# Altium PCB Digital_Optical_18Tx_14Tx4Rx2.PcbDoc (part 2 of 2)
Units mm, origin at the board's own origin, x right, y up, seen from the top; angles counter-clockwise.
Board outline 155.99 x 100 mm, 2 copper layers (Top Layer, Bottom Layer); 203 components, 117 nets, 700 pads, 330 vias.
Unrouted connection lines stored in the file: 2.
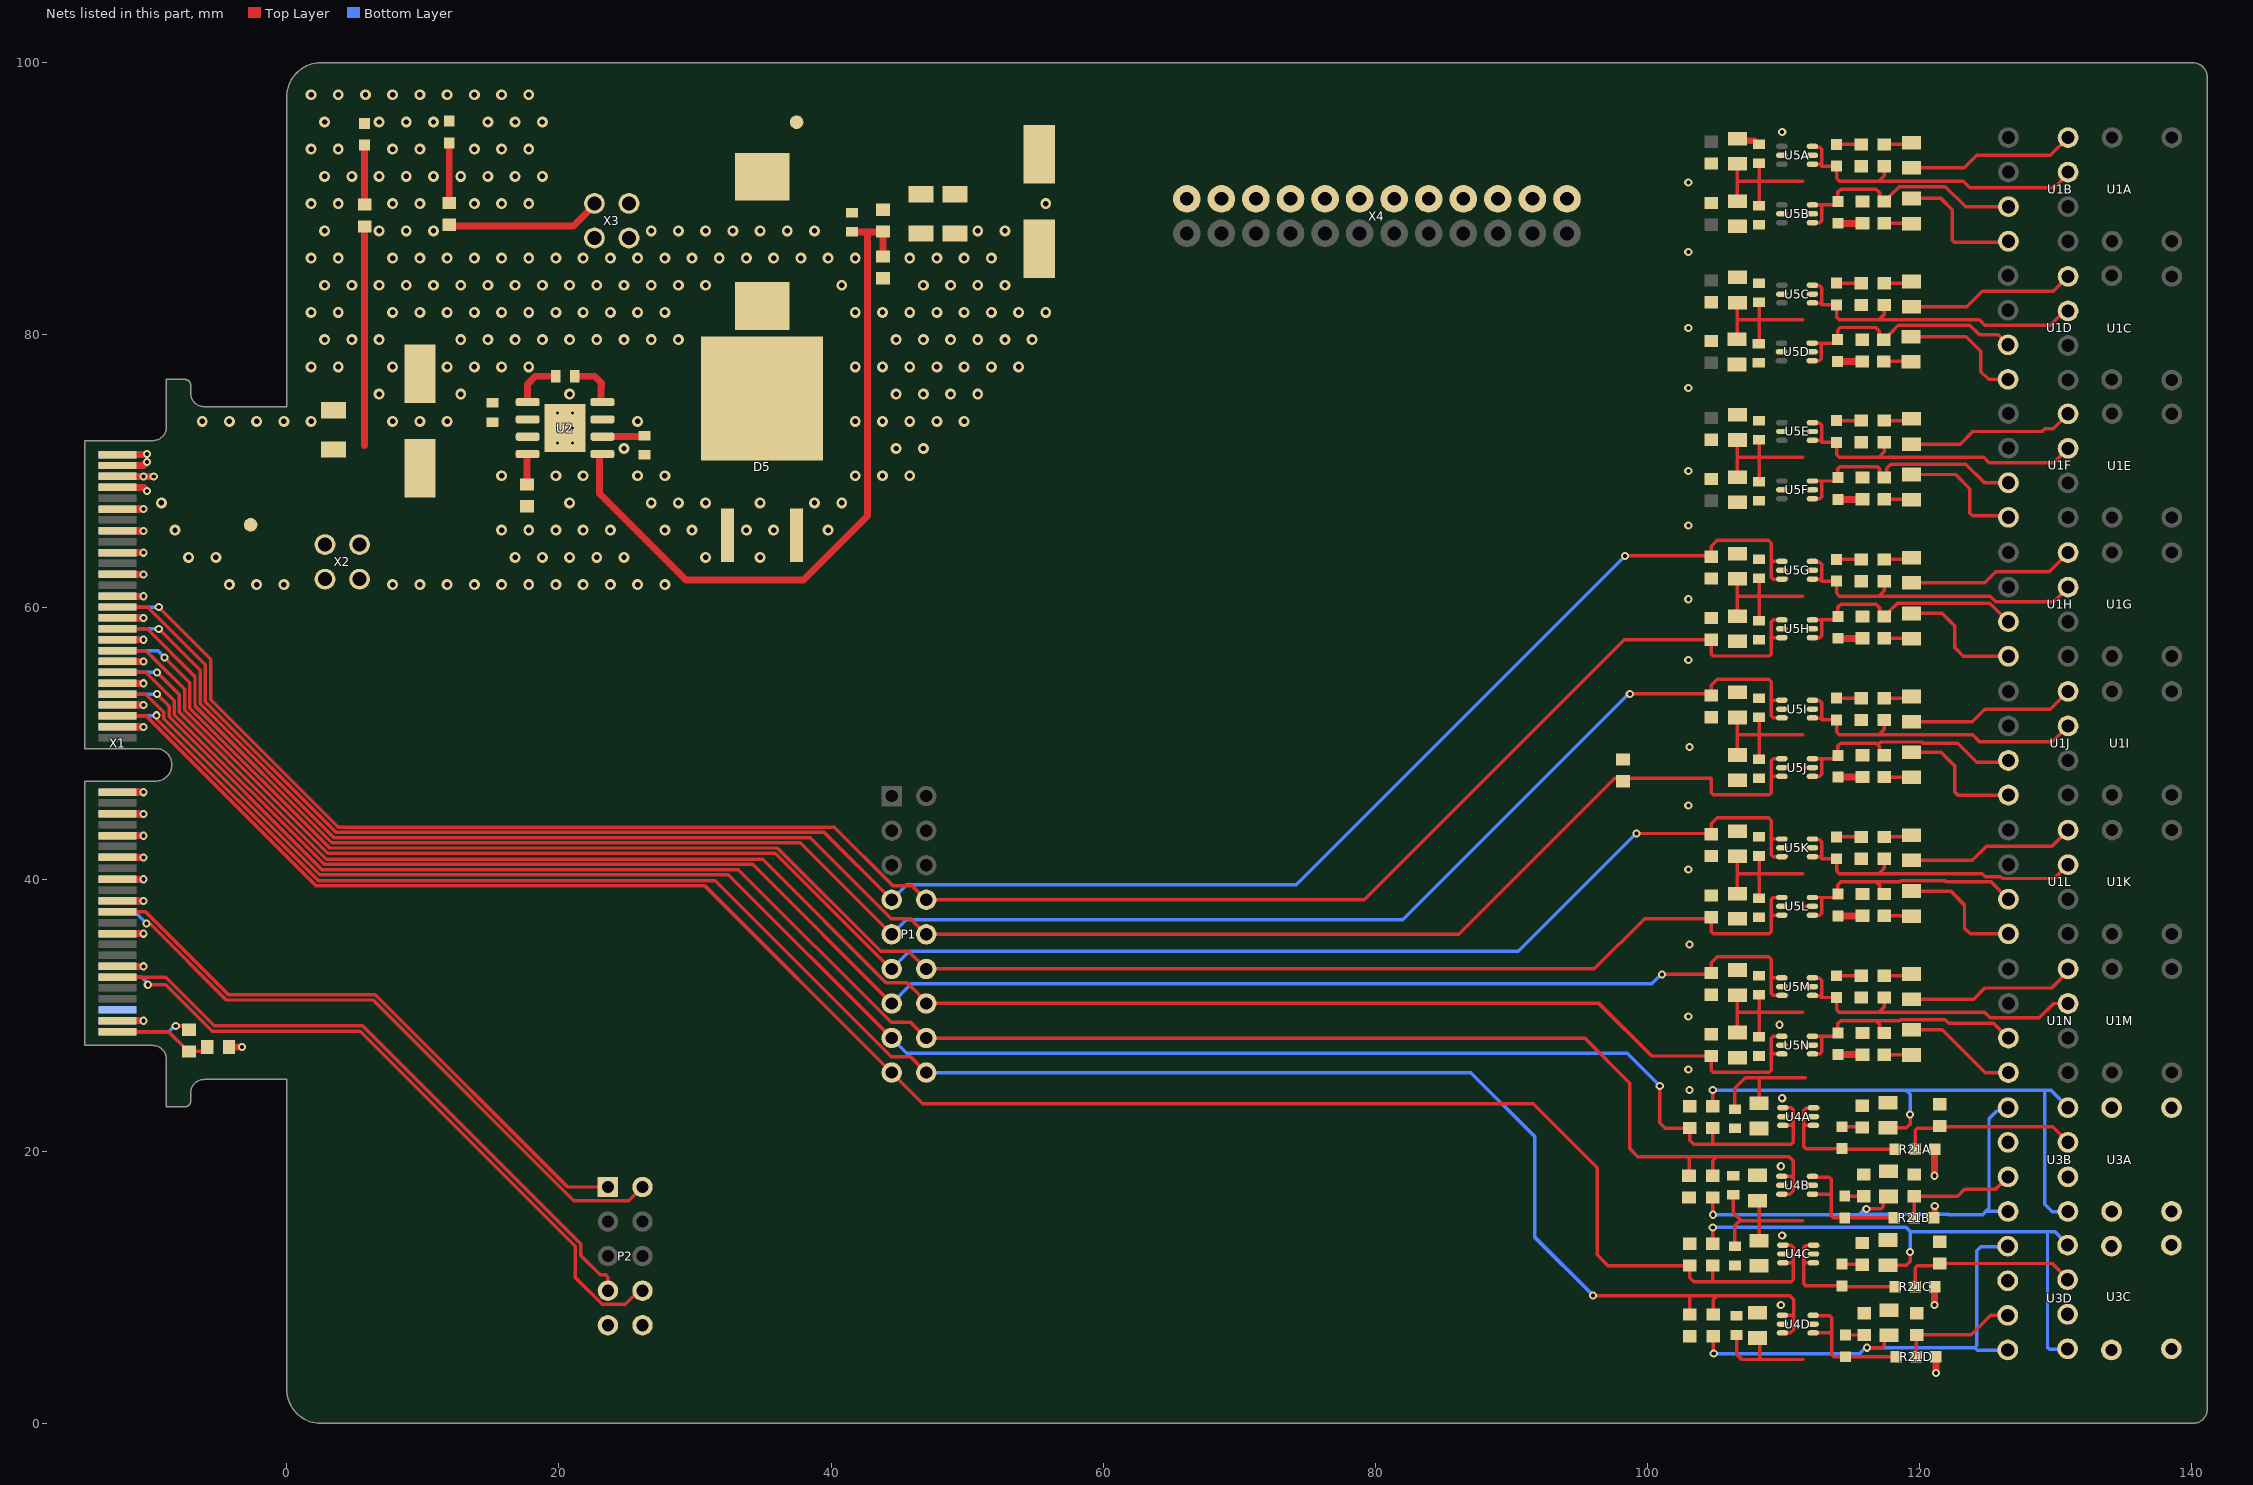
[diagram p2: the nets of this part, all layers, seen from the top]

## Via types
v1: diameter 0.8, hole 0.4, Top Layer to Bottom Layer, tented both sides, 224 vias
v2: diameter 0.6, hole 0.3, Top Layer to Bottom Layer, tented both sides, 100 vias
v3: diameter 0.45, hole 0.2, Top Layer to Bottom Layer, tented bottom, 6 vias

## Nets (pads, with @x,y where several pads share a name; then routed paths per layer and width w, separated by ;. In a path a pad name is that pad's centre, name@x,y a point inside that pad or via, vN(x,y) a via of type N, cw(c..) or ccw(c..) an arc to the next point about the centre after c; other vN are vias at no path point) (continued)
GATE_A7: P1.7 R8G.2 U5G.1 U5G.3 X1.29 | length 148.1
  Top Layer w0.254: X1.29@-12.44,59.991 -10.231,59.991 -5.987,55.747 -5.987,53.042 3.625,43.43 39.501,43.43 P1.7@44.45,38.481 ; v2(98.352,63.759) 104.641,63.759 R8G.2@104.7,63.7 104.7,64.461 105.139,64.9 108.9,64.9 109.1,64.7 109.1,63.4 ; U5G.1@109.875,63.35 109.15,63.35 109.1,63.4 ; U5G.3@110.253,62.1 110.231,62.078 109.903,62.078 U5G.3@109.875,62.05 109.249,62.05 109.1,62.199 109.1,63.4
  Bottom Layer w0.254: P1.7@44.45,38.481 45.569,39.6 74.2,39.6 98.3,63.7 v2@98.3,63.8
GATE_A8: P1.8 R8H.2 U5H.1 U5H.3 X1.30 | length 145.3
  Top Layer w0.254: v2(-9.414,59.991) -5.588,56.165 -5.588,53.182 3.783,43.811 40.24,43.811 44.554,39.497 45.974,39.497 P1.8@46.99,38.481 79.181,38.481 98.3,57.6 R8H.2@104.7,57.6 104.7,56.549 104.849,56.4 108.951,56.4 109.1,56.549 109.1,57.724 ; U5H.3@109.875,57.75 109.126,57.75 109.1,57.724 ; U5H.1@109.875,59.05 109.25,59.05 109.1,58.9 109.1,57.724
  Bottom Layer w0.254: X1.30@-12.44,59.991 v2(-9.414,59.991)
GATE_A9: P1.9 R8I.2 U5I.1 U5I.3 X1.33 | length 145
  Top Layer w0.254: X1.33@-12.44,58.391 -10.259,58.391 -6.749,54.881 -6.749,52.726 3.31,42.668 37.723,42.668 P1.9@44.45,35.941 ; v2(98.702,53.609) 104.591,53.609 R8I.2@104.7,53.5 104.7,54.261 105.139,54.7 108.9,54.7 109.1,54.5 109.1,53.2 ; U5I.1@109.875,53.15 109.15,53.15 109.1,53.2 ; U5I.3@110.253,51.9 110.231,51.878 109.903,51.878 U5I.3@109.875,51.85 109.249,51.85 109.1,51.999 109.1,53.2
  Bottom Layer w0.254: P1.9@44.45,35.941 45.509,37 82,37 98.6,53.6 v2@98.7,53.6
GATE_A10: P1.10 R8J.2 U5J.1 U5J.3 X1.34 | length 142.2
  Top Layer w0.254: v2(-9.414,58.391) -6.368,55.344 -6.368,52.884 3.467,43.049 38.462,43.049 44.415,37.096 45.835,37.096 P1.10@46.99,35.941 86.141,35.941 97.6,47.4 104.7,47.4 104.7,46.349 104.849,46.2 108.951,46.2 109.1,46.349 109.1,47.524 ; U5J.3@109.875,47.55 109.126,47.55 109.1,47.524 ; U5J.1@109.875,48.85 109.25,48.85 109.1,48.7 109.1,47.524
  Bottom Layer w0.254: X1.34@-12.44,58.391 v2(-9.414,58.391)
GATE_A11: P1.11 R8K.2 U5K.1 U5K.3 X1.37 | length 141.7
  Top Layer w0.254: X1.37@-12.44,56.791 -10.356,56.791 -9.652,56.086 -7.511,53.945 -7.511,52.411 2.994,41.906 35.894,41.906 44.399,33.401 P1.11@44.45,33.401 P1.11@44.461,33.39 ; v2(99.193,43.353) 104.553,43.353 104.7,43.5 104.7,44.061 105.139,44.5 108.9,44.5 109.1,44.3 109.1,43 ; U5K.1@109.875,42.95 109.15,42.95 109.1,43 ; U5K.3@110.253,41.7 110.231,41.678 109.903,41.678 U5K.3@109.875,41.65 109.249,41.65 109.1,41.799 109.1,43
  Bottom Layer w0.254: P1.11@44.45,33.401 45.749,34.7 90.5,34.7 v2@99.2,43.4
GATE_A12: P1.12 R8L.2 U5L.1 U5L.3 X1.38 | length 139
  Top Layer w0.254: v2(-9,56.3) -7.13,54.43 -7.13,52.568 3.152,42.287 36.052,42.287 43.639,34.7 45.691,34.7 P1.12@46.99,33.401 96.101,33.401 99.8,37.1 104.6,37.1 R8L.2@104.7,37.2 104.7,36.149 104.849,36 108.951,36 109.1,36.149 109.1,37.324 ; U5L.3@109.875,37.35 109.126,37.35 109.1,37.324 ; U5L.1@109.875,38.65 109.25,38.65 109.1,38.5 109.1,37.324
  Bottom Layer w0.254: X1.38@-12.44,56.8 -9.5,56.8 v2(-9,56.3)
GATE_A13: P1.13 R8M.2 U5M.1 U5M.3 X1.41 | length 138.7
  Top Layer w0.254: X1.41@-12.44,55.191 -12.415,55.216 -10.378,55.216 -8.273,53.11 -8.273,52.095 2.74,41.082 34.229,41.082 P1.13@44.45,30.861 ; v2(101.075,33) 104.6,33 R8M.2@104.7,33.1 104.7,33.861 105.139,34.3 108.9,34.3 109.1,34.1 109.1,32.8 ; U5M.1@109.875,32.75 109.15,32.75 109.1,32.8 ; U5M.3@110.253,31.5 110.231,31.478 109.903,31.478 U5M.3@109.875,31.45 109.249,31.45 109.1,31.599 109.1,32.8
  Bottom Layer w0.254: P1.13@44.45,30.861 45.889,32.3 100.3,32.3 101,33 v2(101.075,33)
GATE_A14: P1.14 R8N.2 U5N.1 U5N.3 X1.42 | length 138.4
  Top Layer w0.254: v2(-9.54,55.191) -7.892,53.543 -7.892,52.253 -0.933,45.295 2.898,41.463 34.968,41.463 44.034,32.397 45.581,32.397 46.482,31.496 ; P1.14@46.99,30.861 96.439,30.861 100.3,27 R8N.2@104.7,27 104.7,25.949 104.849,25.8 108.951,25.8 109.1,25.949 109.1,27.124 ; U5N.3@109.875,27.15 109.126,27.15 109.1,27.124 ; U5N.1@109.875,28.45 109.25,28.45 109.1,28.3 109.1,27.124
  Bottom Layer w0.254: X1.42@-12.44,55.191 v2(-9.54,55.191)
GND: C1A.2 C1B.2 C1C.2 C1D.2 C1E.2 C1F.2 C1G.2 C1H.2 C1I.2 C1J.2 C1K.2 C1L.2 C1M.2 C1N.2 C2A.2 C2B.2 C2C.2 C2D.2 C2E.2 C2F.2 C2G.2 C2H.2 C2I.2 C2J.2 C2K.2 C2L.2 C2M.2 C2N.2 C3.2 C5.2 C6.1 C7.2 C8A.2 C8B.2 C8C.2 C8D.2 C9A.2 C9B.2 C9C.2 C9D.2 C10.1 C12.1 C13.1 D5.1 D5.3 D6.1 D7.1 P2.9 P2.10 R5.1 R8A.1 R8B.1 R8C.1 R8D.1 R8E.1 R8F.1 R8G.1 R8H.1 R8I.1 R8J.1 R8K.1 R8L.1 R8M.1 R8N.1 R12.1 R16.1 R20A.1 R20B.1 R20C.1 R20D.1 R21A.3 R21B.3 R21C.3 R21D.3 U2.7 U2.9 U4A.2 U4B.2 U4C.2 U4D.2 U5A.2 U5B.2 U5C.2 U5D.2 U5E.2 U5F.2 U5G.2 U5H.2 U5I.2 U5J.2 U5K.2 U5L.2 U5M.2 U5N.2 X1.1 X1.2 X1.3 X1.4 X1.7 X1.8 X1.11 X1.12 X1.15 X1.16 X1.19 X1.20 X1.23 X1.24 X1.27 X1.28 X1.31 X1.32 X1.35 X1.36 X1.39 X1.40 X1.43 X1.44 X1.47 X1.48 X1.51 X1.52 X1.55 X1.56 X1.59 X1.60 X1.63 X1.64 X1.67 X1.68 X1.71 X1.72 X1.75 X1.76 X1.81 X1.82 X1.87 X1.88 X1.97 X1.98 X2.1 X2.2 X3.1 X3.2 X4.2 X4.4 X4.6 X4.8 X4.10 X4.12 X4.14 X4.16 X4.18 X4.20 X4.22 X4.24 | length 97.4
  Top Layer w0.508: X1.97@-12.44,29.591 v2(-10.541,29.591) ; X1.87@-12.44,33.591 v2(-10.541,33.591) v2@-10.477,33.591 ; X1.81@-12.44,35.991 v2(-10.541,35.991) ; X1.75@-12.44,38.391 v2(-10.541,38.391) ; X1.71@-12.44,39.991 v2(-10.541,39.991) ; X1.67@-12.44,41.591 v2(-10.541,41.591) ; X1.63@-12.44,43.191 v2(-10.541,43.191) ; X1.59@-12.44,44.791 v2(-10.541,44.791) ; X1.55@-12.44,46.391 v2(-10.541,46.391) ; X1.51@-12.44,51.191 v2(-10.541,51.191) ; X1.47@-12.44,52.791 v2(-10.541,52.791) ; X1.43@-12.44,54.391 v2(-10.541,54.391) ; X1.39@-12.44,55.991 v2(-10.541,55.991) ; X1.35@-12.44,57.591 v2(-10.541,57.591) ; X1.31@-12.44,59.191 v2(-10.541,59.191) ; X1.27@-12.44,60.791 v2(-10.541,60.791) ; X1.23@-12.44,62.391 v2(-10.541,62.391) ; X1.19@-12.44,63.991 v2(-10.541,63.991) ; X1.15@-12.44,65.591 v2(-10.541,65.591) ; X1.11@-12.44,67.191 v2(-10.541,67.191) ; X1.7@-12.44,68.791 -10.541,68.791 v2(-10.266,68.516) ; X1.3@-12.44,70.391 -10.541,70.391 v2(-10.266,70.666) ; X1.1@-12.44,71.191 v2@-10.541,71.191 ; R16.1@-4.251,27.66 R16.1@-4.251,27.66 v2@-3.303,27.659 ; C2A.2@106.6,94.425 106.755,94.27 107.83,94.27 108.1,94 C1A.2@108.2,94 ; R21B.3@121.05,15.1 121.113,15.163 v2(121.113,15.988) ; v2(121.1,8.7) 121.1,10.025 R21C.3@121.125,10.05 ; v2(121.1,18.2) 121.1,20.125 R21A.3@121.125,20.15 ; R21D.3@121.196,4.896 121.2,4.892 v2(121.2,3.7) ; v2@-3.303,27.659 v2(-3.302,27.658)
  Bottom Layer w0.508: X1.98@-12.44,29.591 v2(-10.541,29.591) ; X1.88@-12.44,33.591 v2(-10.541,33.591) ; X1.82@-12.44,35.991 v2(-10.541,35.991) ; X1.76@-12.44,38.391 v2(-10.541,38.391) ; X1.72@-12.44,39.991 v2(-10.541,39.991) ; X1.68@-12.44,41.591 v2(-10.541,41.591) ; X1.64@-12.44,43.191 v2(-10.541,43.191) ; X1.60@-12.44,44.791 v2(-10.541,44.791) ; X1.56@-12.44,46.391 v2(-10.541,46.391) ; X1.52@-12.44,51.191 v2(-10.541,51.191) ; X1.48@-12.44,52.791 v2(-10.541,52.791) ; X1.44@-12.44,54.391 v2(-10.541,54.391) ; X1.40@-12.44,55.991 v2(-10.541,55.991) ; X1.36@-12.44,57.591 v2(-10.541,57.591) ; X1.32@-12.44,59.191 v2(-10.541,59.191) ; X1.28@-12.44,60.791 v2(-10.541,60.791) ; X1.24@-12.44,62.391 v2(-10.541,62.391) ; X1.20@-12.44,63.991 v2(-10.541,63.991) ; X1.16@-12.44,65.591 v2(-10.541,65.591) ; X1.12@-12.44,67.191 v2(-10.541,67.191) ; X1.8@-12.44,68.791 -10.541,68.791 v2(-10.266,68.516) ; X1.4@-12.44,70.391 -10.541,70.391 v2(-10.266,70.666) ; X1.2@-12.44,71.191 -10.343,71.191 v2(-10.287,71.247)
  other v1: -4.221,61.647 -2.221,61.647 -0.221,61.647 7.779,61.647 9.779,61.647 11.779,61.647 13.779,61.647 15.779,61.647 17.779,61.647 19.779,61.647 21.779,61.647 23.779,61.647 25.779,61.647 27.779,61.647 -7.221,63.647 -5.221,63.647 16.779,63.647 18.779,63.647 20.779,63.647 22.779,63.647 24.779,63.647 30.779,63.647 34.779,63.647 -8.221,65.647 15.779,65.647 17.779,65.647 19.779,65.647 21.779,65.647 23.779,65.647 27.779,65.647 29.779,65.647 33.779,65.647 35.779,65.647 39.779,65.647 -9.221,67.647 20.779,67.647 26.779,67.647 28.779,67.647 30.779,67.647 34.779,67.647 38.779,67.647 40.779,67.647 15.779,69.647 19.779,69.647 21.779,69.647 25.779,69.647 27.779,69.647 41.779,69.647 43.779,69.647 45.779,69.647 24.779,71.647 44.779,71.647 46.779,71.647 -6.221,73.647 -4.221,73.647 -2.221,73.647 -0.221,73.647 1.779,73.647 7.779,73.647 9.779,73.647 11.779,73.647 25.779,73.647 41.779,73.647 43.779,73.647 45.779,73.647 47.779,73.647 49.779,73.647 6.779,75.647 12.779,75.647 20.779,75.647 44.779,75.647 46.779,75.647 48.779,75.647 50.779,75.647 1.779,77.647 3.779,77.647 7.779,77.647 11.779,77.647 13.779,77.647 15.779,77.647 17.779,77.647 41.779,77.647 43.779,77.647 45.779,77.647 47.779,77.647 49.779,77.647 51.779,77.647 53.779,77.647 2.779,79.647 4.779,79.647 6.779,79.647 12.779,79.647 14.779,79.647 16.779,79.647 18.779,79.647 20.779,79.647 22.779,79.647 24.779,79.647 26.779,79.647 28.779,79.647 44.779,79.647 46.779,79.647 48.779,79.647 50.779,79.647 52.779,79.647 54.779,79.647 1.779,81.647 3.779,81.647 7.779,81.647 9.779,81.647 11.779,81.647 13.779,81.647 15.779,81.647 17.779,81.647 19.779,81.647 21.779,81.647 23.779,81.647 25.779,81.647 27.779,81.647 41.779,81.647 43.779,81.647 45.779,81.647 47.779,81.647 49.779,81.647 51.779,81.647 53.779,81.647 55.779,81.647 2.779,83.647 4.779,83.647 6.779,83.647 8.779,83.647 10.779,83.647 12.779,83.647 14.779,83.647 16.779,83.647 18.779,83.647 20.779,83.647 22.779,83.647 24.779,83.647 26.779,83.647 28.779,83.647 30.779,83.647 40.779,83.647 46.779,83.647 48.779,83.647 50.779,83.647 52.779,83.647 1.779,85.647 3.779,85.647 7.779,85.647 9.779,85.647 11.779,85.647 13.779,85.647 15.779,85.647 17.779,85.647 19.779,85.647 21.779,85.647 23.779,85.647 25.779,85.647 27.779,85.647 29.779,85.647 31.779,85.647 33.779,85.647 35.779,85.647 37.779,85.647 39.779,85.647 41.779,85.647 45.779,85.647 47.779,85.647 49.779,85.647 51.779,85.647 2.779,87.647 6.779,87.647 8.779,87.647 10.779,87.647 26.779,87.647 28.779,87.647 30.779,87.647 32.779,87.647 34.779,87.647 36.779,87.647 38.779,87.647 50.779,87.647 52.779,87.647 1.779,89.647 3.779,89.647 7.779,89.647 9.779,89.647 13.779,89.647 15.779,89.647 17.779,89.647 55.779,89.647 2.779,91.647 4.779,91.647 6.779,91.647 8.779,91.647 10.779,91.647 12.779,91.647 14.779,91.647 16.779,91.647 18.779,91.647 1.779,93.647 3.779,93.647 7.779,93.647 9.779,93.647 13.779,93.647 15.779,93.647 17.779,93.647 2.779,95.647 6.779,95.647 8.779,95.647 10.779,95.647 14.779,95.647 16.779,95.647 18.779,95.647 1.779,97.647 3.779,97.647 5.779,97.647 7.779,97.647 9.779,97.647 11.779,97.647 13.779,97.647 15.779,97.647 17.779,97.647
  other v2: 109.8,8.7 109.9,13.8 109.8,18.9 109.9,23.9 103.1,24.5 103,26 109.7,29.3 103,29.9 103.1,35.2 103,40.7 103,45.4 103.1,49.7 103,56.1 103.001,60.572 103,66 103,70 103,76.1 103,80.5 103,86.1 103,91.2 109.9,94.9
  other v3: 19.897,72.052 20.997,72.052 19.897,73.152 20.997,73.152 19.897,74.252 20.997,74.252
I2C0_SCA: P2.8 X1.90 | length 50.4
  Top Layer w0.254: v2(-10.219,32.237) -8.912,32.237 -7.066,30.391 -7.052,30.391 -5.49,28.829 5.403,28.829 21.209,13.023 21.209,10.721 23.181,8.75 24.879,8.75 25.883,9.754 P2.8@26.137,9.754
  Bottom Layer w0.254: X1.90@-12.44,32.791 -10.659,32.791 -10.285,32.417 -10.285,32.303 v2(-10.219,32.237)
I2C0_SCL: P2.7 X1.89 | length 46.7
  Top Layer w0.254: X1.89@-12.44,32.791 -8.913,32.791 -5.332,29.21 5.561,29.21 21.59,13.181 21.59,12.342 23.023,10.909 23.448,10.909 23.597,10.76 P2.7@23.597,9.754
NetC4_1: C4.1 U2.1 | length 3.7
  Top Layer w0.508: U2.1@17.697,75.057 17.697,76.371 18.288,76.962 C4.1@19.812,76.962
NetC7_1: C7.1 U2.6 | length 3.1
  Top Layer w0.508: U2.6@23.197,72.517 26.224,72.517 C7.1@26.289,72.582
NetC11_2: C11.2 R6.1 R12.2 U2.5 | length 51.9
  Top Layer w0.508: U2.5@22.987,71.247 22.987,68.326 29.337,61.976 37.973,61.976 42.672,66.675 42.672,87.565 ; C11.2@41.529,87.565 42.672,87.565 ; R6.1@43.623,87.565 42.672,87.565 ; R12.2@43.815,85.763 R6.1@43.815,87.503
NetD1A_1: D1A.1 R7A.1 U1A.2 U5A.4 U5A.6 | length 23.9
  Top Layer w0.254: U5A.4@112.125,92.55 112.132,92.543 112.657,92.543 112.8,92.4 ; U5A.6@112.125,93.85 112.153,93.822 112.481,93.822 112.503,93.8 112.651,93.8 112.8,93.651 112.8,93.392 112.804,93.388 112.804,93.012 112.8,93.008 112.8,92.4 ; D1A.1@113.754,92.4 112.8,92.4 ; D1A.1@113.9,92.4 113.9,91.498 114.098,91.3 117,91.3 ; R7A.1@117.4,92.4 117.4,91.7 117,91.3 ; U1A.2@130.915,91.961 130.915,91.815 129.9,90.8 123.7,90.8 123.2,91.3 117,91.3
  Top Layer w0.508: D1A.1@113.754,92.4 D1A.1@113.9,92.4
NetD1A_2: D1A.2 R1A.1 | length 1.8
  Top Layer w0.254: D1A.2@113.9,94 R1A.1@115.7,94
NetD1B_1: D1B.1 R7B.1 U1B.2 U5B.4 U5B.6 | length 18.9
  Top Layer w0.254: U5B.4@112.125,88.25 112.651,88.25 112.804,88.403 112.804,89.446 112.7,89.55 ; U5B.6@112.125,89.55 112.7,89.55 ; U1B.2@126.527,89.421 123.379,89.421 121.9,90.9 118.5,90.9 117.773,90.173 117.773,90.123 117.45,89.8 R7B.1@117.4,89.8 117.379,89.8 117.056,90.123 117.056,90.436 116.8,90.692 114.192,90.692 114,90.5 D1B.1@114,89.8 113.75,89.55 112.7,89.55
NetD1B_2: D1B.2 R1B.1 | length 1.8
  Top Layer w0.508: D1B.2@114,88.2 R1B.1@115.8,88.2
NetD1C_1: D1C.1 R7C.1 U1C.2 U5C.4 U5C.6 | length 23.7
  Top Layer w0.254: U5C.4@112.125,82.35 112.132,82.343 112.657,82.343 112.8,82.2 ; U5C.6@112.125,83.65 112.153,83.622 112.481,83.622 112.503,83.6 112.651,83.6 112.8,83.451 112.8,83.192 112.804,83.188 112.804,82.812 112.8,82.808 112.8,82.2 ; D1C.1@113.754,82.2 112.8,82.2 ; D1C.1@113.9,82.2 113.9,81.298 114.098,81.1 117,81.1 ; R7C.1@117.4,82.2 117.4,81.5 117,81.1 ; U1C.2@130.915,81.761 130.661,81.761 129.6,80.7 124.8,80.7 124.4,81.1 117,81.1
  Top Layer w0.508: D1C.1@113.754,82.2 D1C.1@113.9,82.2
NetD1C_2: D1C.2 R1C.1 | length 1.8
  Top Layer w0.254: D1C.2@113.9,83.8 R1C.1@115.7,83.8
NetD1D_1: D1D.1 R7D.1 U1D.2 U5D.4 U5D.6 | length 18.8
  Top Layer w0.254: U5D.4@112.1,78.1 112.626,78.1 112.779,78.253 112.779,79.296 112.675,79.4 ; U5D.6@112.1,79.4 112.675,79.4 ; U1D.2@126.502,79.271 125.773,80 124.4,80 123.681,80.719 118.444,80.719 117.748,80.023 117.748,79.973 117.425,79.65 R7D.1@117.375,79.65 117.354,79.65 117.031,79.973 117.031,80.286 116.775,80.542 114.167,80.542 113.975,80.35 D1D.1@113.975,79.65 113.725,79.4 112.675,79.4
NetD1D_2: D1D.2 R1D.1 | length 1.8
  Top Layer w0.508: D1D.2@113.975,78.05 R1D.1@115.775,78.05
NetD1E_1: D1E.1 R7E.1 U1E.2 U5E.4 U5E.6 | length 23.7
  Top Layer w0.254: U5E.4@112.125,72.25 112.132,72.243 112.657,72.243 112.8,72.1 ; U5E.6@112.125,73.55 112.153,73.522 112.481,73.522 112.503,73.5 112.651,73.5 112.8,73.351 112.8,73.092 112.804,73.088 112.804,72.712 112.8,72.708 112.8,72.1 ; D1E.1@113.754,72.1 112.8,72.1 ; D1E.1@113.9,72.1 113.9,71.198 114.098,71 117,71 ; R7E.1@117.4,72.1 117.4,71.4 117,71 ; U1E.2@130.915,71.661 129.854,70.6 125.1,70.6 124.7,71 117,71
  Top Layer w0.508: D1E.1@113.754,72.1 D1E.1@113.9,72.1
NetD1E_2: D1E.2 R1E.1 | length 1.8
  Top Layer w0.254: D1E.2@113.9,73.7 R1E.1@115.7,73.7
NetD1F_1: D1F.1 R7F.1 U1F.2 U5F.4 U5F.6 | length 18.9
  Top Layer w0.254: U5F.4@112.125,67.962 112.651,67.962 112.804,68.115 112.804,69.158 112.7,69.262 ; U5F.6@112.125,69.262 112.7,69.262 ; U1F.2@126.527,69.133 124.767,69.133 123.4,70.5 117.9,70.5 117.594,70.194 117.594,69.706 R7F.1@117.4,69.512 117.379,69.512 117.056,69.835 117.056,70.163 116.907,70.312 114.149,70.312 114,70.163 D1F.1@114,69.512 113.75,69.262 112.7,69.262
NetD1F_2: D1F.2 R1F.1 | length 1.8
  Top Layer w0.508: D1F.2@114,67.912 R1F.1@115.8,67.912
NetD1G_1: D1G.1 R7G.1 U1G.2 U5G.4 U5G.6 | length 23.7
  Top Layer w0.254: U5G.4@112.125,62.05 112.132,62.043 112.657,62.043 112.8,61.9 ; U5G.6@112.125,63.35 112.153,63.322 112.481,63.322 112.503,63.3 112.651,63.3 112.8,63.151 112.8,62.892 112.804,62.888 112.804,62.512 112.8,62.508 112.8,61.9 ; D1G.1@113.754,61.9 112.8,61.9 ; D1G.1@113.9,61.9 113.9,60.998 114.098,60.8 117,60.8 ; R7G.1@117.4,61.9 117.4,61.2 117,60.8 ; U1G.2@130.915,61.461 129.854,60.4 125.6,60.4 125.2,60.8 117,60.8
  Top Layer w0.508: D1G.1@113.754,61.9 D1G.1@113.9,61.9
NetD1G_2: D1G.2 R1G.1 | length 1.8
  Top Layer w0.254: D1G.2@113.9,63.5 R1G.1@115.7,63.5
NetD1H_1: D1H.1 R7H.1 U1H.2 U5H.4 U5H.6 | length 18.8
  Top Layer w0.254: U5H.4@112.125,57.75 112.651,57.75 112.804,57.903 112.804,58.946 112.7,59.05 ; U5H.6@112.125,59.05 112.7,59.05 ; U1H.2@126.527,58.921 125.169,60.279 118.379,60.279 117.773,59.673 117.773,59.623 117.45,59.3 R7H.1@117.4,59.3 117.379,59.3 117.056,59.623 117.056,59.936 116.8,60.192 114.192,60.192 114,60 D1H.1@114,59.3 113.75,59.05 112.804,59.05 112.7,59.05
NetD1H_2: D1H.2 R1H.1 | length 1.8
  Top Layer w0.508: D1H.2@114,57.7 R1H.1@115.8,57.7
NetD1I_1: D1I.1 R7I.1 U1I.2 U5I.4 U5I.6 | length 23.8
  Top Layer w0.254: U5I.4@112.125,51.85 112.132,51.843 112.657,51.843 112.8,51.7 ; U5I.6@112.125,53.15 112.153,53.122 112.481,53.122 112.503,53.1 112.651,53.1 112.8,52.951 112.8,52.692 112.804,52.688 112.804,52.312 112.8,52.308 112.8,51.7 ; D1I.1@113.754,51.7 112.8,51.7 ; D1I.1@113.9,51.7 113.9,50.798 114.098,50.6 117,50.6 ; R7I.1@117.4,51.7 117.4,51 117,50.6 ; U1I.2@130.915,51.261 129.754,50.1 124.4,50.1 123.9,50.6 117,50.6
  Top Layer w0.508: D1I.1@113.754,51.7 D1I.1@113.9,51.7
NetD1I_2: D1I.2 R1I.1 | length 1.8
  Top Layer w0.254: D1I.2@113.9,53.3 R1I.1@115.7,53.3
NetD1J_1: D1J.1 R7J.1 U1J.2 U5J.4 U5J.6 | length 19
  Top Layer w0.254: U5J.4@112.125,47.55 112.651,47.55 112.804,47.703 112.804,48.746 112.7,48.85 ; U5J.6@112.125,48.85 112.7,48.85 ; R7J.1@117.4,49.1 117.379,49.1 117.056,49.423 117.056,49.736 116.928,49.864 ; U1J.2@126.527,48.721 126.406,48.6 124.2,48.6 122.8,50 120.284,50 120.205,50.079 117.143,50.079 116.928,49.864 ; 112.7,48.85 113.75,48.85 D1J.1@114,49.1 114,49.8 114.192,49.992 116.8,49.992 116.928,49.864
NetD1J_2: D1J.2 R1J.1 | length 1.8
  Top Layer w0.508: D1J.2@114,47.5 R1J.1@115.8,47.5
NetD1K_1: D1K.1 R7K.1 U1K.2 U5K.4 U5K.6 | length 23.7
  Top Layer w0.254: U5K.4@112.125,41.65 112.132,41.643 112.657,41.643 112.8,41.5 ; U5K.6@112.125,42.95 112.153,42.922 112.481,42.922 112.503,42.9 112.651,42.9 112.8,42.751 112.8,42.492 112.804,42.488 112.804,42.112 112.8,42.108 112.8,41.5 ; D1K.1@113.754,41.5 112.8,41.5 ; D1K.1@113.9,41.5 113.9,40.598 114.098,40.4 117,40.4 ; R7K.1@117.4,41.5 117.4,40.8 117,40.4 ; U1K.2@130.915,41.061 129.899,40.045 126.106,40.045 125.978,40.173 124.827,40.173 124.6,40.4 117,40.4
  Top Layer w0.508: D1K.1@113.754,41.5 D1K.1@113.9,41.5
NetD1K_2: D1K.2 R1K.1 | length 1.8
  Top Layer w0.254: D1K.2@113.9,43.1 R1K.1@115.7,43.1
NetD1L_1: D1L.1 R7L.1 U1L.2 U5L.4 U5L.6 | length 19
  Top Layer w0.254: U5L.4@112.125,37.35 112.651,37.35 112.804,37.503 112.804,38.546 112.7,38.65 ; U5L.6@112.125,38.65 112.7,38.65 ; R7L.1@117.4,38.9 117.379,38.9 117.056,39.223 117.056,39.536 116.8,39.792 ; U1L.2@126.527,38.521 125.256,39.792 121.969,39.792 121.882,39.879 118.595,39.879 118.508,39.792 116.8,39.792 ; 112.7,38.65 112.804,38.65 113.75,38.65 D1L.1@114,38.9 114,39.6 114.192,39.792 116.8,39.792
NetD1L_2: D1L.2 R1L.1 | length 1.8
  Top Layer w0.508: D1L.2@114,37.3 R1L.1@115.8,37.3
NetD1M_1: D1M.1 R7M.1 U1M.2 U5M.4 U5M.6 | length 23.7
  Top Layer w0.254: U5M.4@112.125,31.45 112.132,31.443 112.657,31.443 112.8,31.3 ; U5M.6@112.125,32.75 112.153,32.722 112.481,32.722 112.503,32.7 112.651,32.7 112.8,32.551 112.8,32.292 112.804,32.288 112.804,31.912 112.8,31.908 112.8,31.3 ; D1M.1@113.754,31.3 112.8,31.3 ; D1M.1@113.9,31.3 113.9,30.398 114.098,30.2 117,30.2 ; R7M.1@117.4,31.3 117.4,30.6 117,30.2 ; U1M.2@130.915,30.861 129.861,30.861 128.8,29.8 125.2,29.8 124.8,30.2 117,30.2
  Top Layer w0.508: D1M.1@113.754,31.3 D1M.1@113.9,31.3
NetD1M_2: D1M.2 R1M.1 | length 1.8
  Top Layer w0.254: D1M.2@113.9,32.9 R1M.1@115.7,32.9
NetD1N_1: D1N.1 R7N.1 U1N.2 U5N.4 U5N.6 | length 19
  Top Layer w0.254: U5N.4@112.125,27.15 112.651,27.15 112.804,27.303 112.804,28.346 112.7,28.45 ; U5N.6@112.125,28.45 112.7,28.45 ; R7N.1@117.4,28.7 117.379,28.7 117.056,29.023 117.056,29.336 116.8,29.592 ; U1N.2@126.527,28.321 125.429,29.419 122.142,29.419 121.882,29.679 118.595,29.679 118.508,29.592 116.8,29.592 ; 112.7,28.45 112.804,28.45 113.75,28.45 D1N.1@114,28.7 114,29.4 114.192,29.592 116.8,29.592
NetD1N_2: D1N.2 R1N.1 | length 1.8
  Top Layer w0.508: D1N.2@114,27.1 R1N.1@115.8,27.1
NetD3A_1: D3A.1 R21A.1 U4A.4 U4A.6 | length 11.3
  Top Layer w0.254: U4A.4@112.2,21.9 111.5,21.9 ; U4A.6@112.578,23.15 112.556,23.172 111.844,23.172 111.649,23.172 111.5,23.023 111.5,21.9 ; R21A.1@118.225,20.15 114.35,20.15 D3A.1@114.3,20.2 111.649,20.2 111.5,20.349 111.5,21.9
NetD3A_2: D3A.2 R11A.2 | length 1.5
  Top Layer w0.254: D3A.2@114.3,21.8 115.725,21.8 R11A.2@115.775,21.75
NetD3B_1: D3B.1 R21B.1 U4B.4 U4B.6 | length 10.4
  Top Layer w0.254: U4B.4@112.125,16.85 113.35,16.85 113.5,16.7 ; U4B.6@112.125,18.15 112.153,18.122 112.481,18.122 112.503,18.1 113.351,18.1 113.5,17.951 113.5,16.7 ; R21B.1@118.25,15.1 D3B.1@114.5,15.1 113.649,15.1 113.5,15.249 113.5,16.7
NetD3B_2: D3B.2 R11B.2 | length 1.4
  Top Layer w0.254: D3B.2@114.5,16.7 R11B.2@115.9,16.7
NetD3C_1: D3C.1 R21C.1 U4C.4 U4C.6 | length 11.3
  Top Layer w0.254: U4C.4@112.2,11.8 111.5,11.8 ; U4C.6@112.578,13.05 112.556,13.072 111.844,13.072 111.649,13.072 111.5,12.923 111.5,11.8 ; R21C.1@118.225,10.05 114.35,10.05 D3C.1@114.3,10.1 111.649,10.1 111.5,10.249 111.5,11.8
NetD3C_2: D3C.2 R11C.2 | length 1.5
  Top Layer w0.254: D3C.2@114.3,11.7 115.725,11.7 R11C.2@115.775,11.65
NetD3D_1: D3D.1 R21D.1 U4D.4 U4D.6 | length 10.4
  Top Layer w0.254: U4D.4@112.171,6.646 113.396,6.646 113.546,6.496 ; U4D.6@112.171,7.946 112.199,7.918 112.527,7.918 112.549,7.896 113.397,7.896 113.546,7.747 113.546,6.496 ; R21D.1@118.296,4.896 D3D.1@114.546,4.896 113.695,4.896 113.546,5.045 113.546,6.496
NetD3D_2: D3D.2 R11D.2 | length 1.4
  Top Layer w0.254: D3D.2@114.546,6.496 R11D.2@115.946,6.496
NetD6_2: D6.2 R17.1 | length 4.5
  Top Layer w0.127: D6.2@5.588,93.98 5.715,93.853 D6.2@5.715,93.942
  Top Layer w0.508: R17.1@5.715,89.662 D6.2@5.715,93.853
NetD7_2: D7.2 R18.1 | length 4.4
  Top Layer w0.127: D7.2@11.684,93.98 11.728,93.98 D7.2@11.938,93.77
  Top Layer w0.508: R18.1@11.938,89.7 D7.2@11.938,93.77
NetR2A_2: R2A.2 U1A.1 | length 12.4
  Top Layer w0.254: R2A.2@119.4,92.275 123.275,92.275 124.2,93.2 129.614,93.2 U1A.1@130.915,94.501
NetR2B_2: R2B.2 U1B.1 | length 9.8
  Top Layer w0.254: R2B.2@119.4,90.025 121.575,90.025 122.4,89.2 122.4,86.949 122.549,86.8 126.446,86.8 U1B.1@126.527,86.881
NetR2C_2: R2C.2 U1C.1 | length 12.4
  Top Layer w0.254: R2C.2@119.4,82.075 123.475,82.075 124.6,83.2 129.814,83.2 U1C.1@130.915,84.301
NetR2D_2: R2D.2 U1D.1 | length 9.3
  Top Layer w0.254: R2D.2@119.375,79.875 123.425,79.875 124.5,78.8 124.5,77.3 125.069,76.731 U1D.1@126.502,76.731
NetR2E_2: R2E.2 U1E.1 | length 12.4
  Top Layer w0.254: R2E.2@119.4,71.975 122.975,71.975 123.9,72.9 129,72.9 129.2,73.1 129.814,73.1 U1E.1@130.915,74.201
NetR2F_2: R2F.2 U1F.1 | length 9.5
  Top Layer w0.254: R2F.2@119.4,69.737 122.663,69.737 123.7,68.7 123.7,66.9 123.9,66.7 126.42,66.7 U1F.1@126.527,66.593
NetR2G_2: R2G.2 U1G.1 | length 12.4
  Top Layer w0.254: R2G.2@119.4,61.775 124.775,61.775 125.6,62.6 129.514,62.6 U1G.1@130.915,64.001
NetR2H_2: R2H.2 U1H.1 | length 9.4
  Top Layer w0.254: R2H.2@119.4,59.525 121.675,59.525 122.6,58.6 122.6,57 123.219,56.381 U1H.1@126.527,56.381
NetR2I_2: R2I.2 U1I.1 | length 12.4
  Top Layer w0.254: R2I.2@119.4,51.575 123.875,51.575 124.8,52.5 129.614,52.5 U1I.1@130.915,53.801
NetR2J_2: R2J.2 U1J.1 | length 9.5
  Top Layer w0.254: R2J.2@119.4,49.325 121.575,49.325 122.6,48.3 122.6,46.4 122.819,46.181 U1J.1@126.527,46.181
NetR2K_2: R2K.2 U1K.1 | length 12.4
  Top Layer w0.254: R2K.2@119.4,41.375 123.875,41.375 124.9,42.4 129.714,42.4 U1K.1@130.915,43.601
NetR2L_2: R2L.2 U1L.1 | length 9.4
  Top Layer w0.254: R2L.2@119.4,39.125 122.275,39.125 123.3,38.1 123.3,36.4 123.719,35.981 U1L.1@126.527,35.981
NetR2M_2: R2M.2 U1M.1 | length 12.5
  Top Layer w0.254: R2M.2@119.4,31.175 123.975,31.175 124.8,32 129.7,32 130.915,33.215 U1M.1@130.915,33.401
NetR2N_2: R2N.2 U1N.1 | length 8.4
  Top Layer w0.254: R2N.2@119.4,28.925 121.675,28.925 124.819,25.781 U1N.1@126.527,25.781
NetR5_2: R5.2 U2.4 | length 2.2
  Top Layer w0.508: R5.2@17.653,68.999 U2.4@17.653,71.247
NetR13A_2: R13A.2 R14A.1 U3A.1 U3A.4 | length 42.7
  Top Layer w0.254: R14A.1@104.8,23.3 v2(104.8,24.5) ; R13A.2@117.675,21.725 119.025,21.725 119.3,22 v2(119.3,22.7)
  Bottom Layer w0.254: v2(104.8,24.5) 119,24.5 ; v2(119.3,22.7) 119.3,24.2 119,24.5 ; U3A.4@130.955,15.55 129.75,15.55 129.2,16.1 129.2,24.5 ; U3A.1@130.955,23.17 129.625,24.5 129.2,24.5 ; 119,24.5 129.2,24.5
NetR13B_2: R13B.2 R14B.1 U3B.1 U3B.4 | length 34.7
  Top Layer w0.254: v2@104.8,15.3 R14B.1@104.8,16.6 ; v2(116.084,15.767) 117.167,15.767 117.343,15.943 117.343,16.318 R13B.2@117.7,16.675
  Bottom Layer w0.254: v2(104.825,15.336) 115.536,15.336 ; v2(116.084,15.767) 115.967,15.767 115.536,15.336 ; U3B.1@126.527,15.58 124.88,15.58 ; U3B.4@126.527,23.2 126.286,22.959 125.659,22.959 125.1,22.4 125.1,15.8 124.88,15.58 ; 115.536,15.336 115.554,15.354 122.129,15.354 122.148,15.336 124.636,15.336 124.88,15.58
NetR13C_2: R13C.2 R14C.1 U3C.1 U3C.4 | length 42
  Top Layer w0.254: R14C.1@104.8,13.2 v2(104.8,14.4) ; R13C.2@117.675,11.625 119.025,11.625 119.3,11.9 v2(119.3,12.6)
  Bottom Layer w0.254: v2(104.8,14.4) 119,14.4 119.3,14.1 ; v2(119.3,12.6) 119.3,14.1 ; U3C.4@130.955,5.45 129.55,5.45 129.4,5.6 129.4,14.1 ; U3C.1@130.955,13.07 129.925,14.1 129.4,14.1 ; 119.3,14.1 129.4,14.1
NetR13D_2: R13D.2 R14D.1 U3D.1 U3D.4 | length 35.2
  Top Layer w0.254: v2@104.846,5.096 R14D.1@104.846,6.396 ; v2(116.13,5.563) 117.213,5.563 117.389,5.739 117.389,6.114 R13D.2@117.746,6.471
  Bottom Layer w0.254: v2(104.871,5.132) 115.582,5.132 116.013,5.563 v2(116.13,5.563) 124.051,5.563 ; U3D.1@126.573,5.376 124.238,5.376 124.051,5.563 ; U3D.4@126.573,12.996 124.496,12.996 124.2,12.7 124.2,5.711 124.051,5.563
NetR15_1: R15.1 R16.2 X1.99 | length 7.3
  Top Layer w0.254: X1.99@-12.44,28.791 -8.696,28.791 -7.24,27.335 -6.174,27.335 -5.851,27.658 R16.2@-5.851,27.66
NetR19A_1: R19A.1 R21A.2 U3A.2 | length 13.3
  Top Layer w0.254: R21A.2@119.675,20.15 119.675,21.551 119.824,21.7 121.325,21.7 R19A.1@121.475,21.85 121.525,21.8 129.785,21.8 U3A.2@130.955,20.63
NetR19B_1: R19B.1 R21B.2 U3B.2 | length 9.2
  Top Layer w0.254: R21B.2@119.6,15.1 R19B.1@119.6,16.7 122.8,16.7 123.3,17.2 125.58,17.2 U3B.2@126.5,18.12 ; 126.467,20.6 126.527,20.66
NetR19C_1: R19C.1 R21C.2 U3C.2 | length 13.3
  Top Layer w0.254: R21C.2@119.675,10.05 119.675,11.451 119.824,11.6 121.325,11.6 R19C.1@121.475,11.75 129.735,11.75 U3C.2@130.955,10.53
NetR19D_1: R19D.1 R21D.2 U3D.2 | length 8.9
  Top Layer w0.254: R21D.2@119.746,4.896 119.746,6.446 R19D.1@119.8,6.5 123.8,6.5 125.24,7.94 U3D.2@126.48,7.94
NetU3A_5: U3A.5
NetU3A_8: U3A.8
NetU3B_5: U3B.5
NetU3B_8: U3B.8
NetU3C_5: U3C.5
NetU3C_8: U3C.8
NetU3D_5: U3D.5
NetU3D_8: U3D.8
NetX1_96: X1.96
PILOT_IN: R15.2 X1.100 | length 5.5
  Top Layer w0.254: v2(-8.163,29.21) -7.465,29.21 R15.2@-7.19,28.935
  Bottom Layer w0.254: X1.100@-12.44,28.791 -8.676,28.791 -8.257,29.21 v2(-8.163,29.21)
Res_Pin77: P2.1 X1.77 | length 44.4
  Top Layer w0.254: X1.77@-12.44,37.591 -10.386,37.591 -4.291,31.496 6.508,31.496 20.63,17.374 P2.1@23.597,17.374
Res_Pin78: P2.2 X1.78 | length 47.8
  Top Layer w0.254: v2(-10.325,36.747) -10.259,36.681 -10.014,36.681 -4.449,31.115 6.35,31.115 21.095,16.37 25.133,16.37 P2.2@26.137,17.374
  Bottom Layer w0.254: X1.78@-12.44,37.591 -12.301,37.452 -11.03,37.452 v2(-10.325,36.747)
Signal_A15: P1.15 R14A.2 R20A.2 U4A.1 U4A.3 X1.45 | length 144.5
  Top Layer w0.254: X1.45@-12.44,53.591 -10.357,53.591 -9.035,52.269 -9.035,51.779 2.424,40.32 32.451,40.32 P1.15@44.45,28.321 ; v2(100.9,24.8) 100.9,22.1 101.3,21.7 R20A.2@103.1,21.7 103.1,20.8 103.4,20.5 104.8,20.5 ; R14A.2@104.8,21.7 104.8,20.5 ; U4A.3@109.95,21.9 110.7,21.9 ; U4A.1@109.95,23.2 110.551,23.2 110.7,23.051 110.7,21.9 ; 104.8,20.5 110.551,20.5 110.7,20.649 110.7,21.9
  Bottom Layer w0.254: P1.15@44.45,28.321 45.571,27.2 98.5,27.2 v2(100.9,24.8)
Signal_A16: P1.16 R14B.2 R20B.2 U4B.1 U4B.3 X1.46 | length 147.5
  Top Layer w0.254: v2(-9.54,53.594) -8.654,52.708 -8.654,51.937 2.582,40.701 33.19,40.701 44.415,29.476 45.835,29.476 P1.16@46.99,28.321 95.379,28.321 98.7,25 98.7,20.2 99.3,19.6 103,19.6 ; R20B.2@103.054,18.204 103.054,19.546 103,19.6 ; R14B.2@104.9,18.2 104.8,18.3 104.8,19.3 105.1,19.6 ; U4B.3@109.875,16.85 110.458,16.85 110.7,17.092 110.7,18.1 110.7,19.3 110.4,19.6 105.1,19.6 ; U4B.1@109.875,18.15 110.55,18.15 110.6,18.1 ; 103,19.6 105.1,19.6
  Bottom Layer w0.254: X1.46@-12.44,53.591 -9.543,53.591 v2(-9.54,53.594)
Signal_A17: P1.17 R14C.2 R20C.2 U4C.1 U4C.3 X1.49 | length 149.9
  Top Layer w0.254: X1.49@-12.44,51.991 -10.324,51.991 2.17,39.497 30.734,39.497 P1.17@44.45,25.781 46.731,23.5 91.6,23.5 96.3,18.8 96.3,12.4 97.1,11.6 R20C.2@103.1,11.6 103.1,10.7 103.4,10.4 104.8,10.4 ; R14C.2@104.8,11.6 104.8,10.4 ; U4C.3@109.95,11.8 110.7,11.8 ; U4C.1@109.95,13.1 110.551,13.1 110.7,12.951 110.7,11.8 ; 104.8,10.4 110.551,10.4 110.7,10.549 110.7,11.8
Signal_A18: P1.18 R14D.2 R20D.2 U4D.1 U4D.3 X1.50 | length 152.6
  Top Layer w0.254: v2(-9.589,52.039) -9.523,51.973 -9.523,51.728 2.328,39.878 31.473,39.878 44.415,26.936 45.835,26.936 P1.18@46.99,25.781 P1.18@47.211,25.781 ; v2(95.992,9.395) 103.045,9.395 103.046,9.396 ; R20D.2@103.1,8 103.1,9.342 103.046,9.396 ; R14D.2@104.946,7.996 104.846,8.096 104.846,9.096 105.146,9.396 ; U4D.3@109.921,6.646 110.504,6.646 110.746,6.888 110.746,9.096 110.446,9.396 105.146,9.396 ; U4D.1@109.921,7.946 110.596,7.946 110.646,7.896 ; 103.046,9.396 105.146,9.396
  Bottom Layer w0.254: X1.50@-12.44,51.991 -12.416,52.015 -9.613,52.015 v2(-9.589,52.039) ; P1.18@46.99,25.781 87.019,25.781 91.7,21.1 91.7,13.7 v2@96,9.4
SW: C4.2 D5.4 L2.1 U2.8 | length 3.5
  Top Layer w0.508: C4.2@21.147,76.962 22.606,76.962 23.114,76.454 23.114,76.2 23.1,76.186 U2.8@23.1,75.1
VCC: C1A.1 C1B.1 C1C.1 C1D.1 C1E.1 C1F.1 C1G.1 C1H.1 C1I.1 C1J.1 C1K.1 C1L.1 C1M.1 C1N.1 C2A.1 C2B.1 C2C.1 C2D.1 C2E.1 C2F.1 C2G.1 C2H.1 C2I.1 C2J.1 C2K.1 C2L.1 C2M.1 C2N.1 C3.1 C6.2 C8A.1 C8B.1 C8C.1 C8D.1 C9A.1 C9B.1 C9C.1 C9D.1 C10.2 C11.1 L2.2 R1A.2 R1B.2 R1C.2 R1D.2 R1E.2 R1F.2 R1G.2 R1H.2 R1I.2 R1J.2 R1K.2 R1L.2 R1M.2 R1N.2 R2A.1 R2B.1 R2C.1 R2D.1 R2E.1 R2F.1 R2G.1 R2H.1 R2I.1 R2J.1 R2K.1 R2L.1 R2M.1 R2N.1 R6.2 R7A.2 R7B.2 R7C.2 R7D.2 R7E.2 R7F.2 R7G.2 R7H.2 R7I.2 R7J.2 R7K.2 R7L.2 R7M.2 R7N.2 R11A.1 R11B.1 R11C.1 R11D.1 R13A.1 R13B.1 R13C.1 R13D.1 R18.2 R19A.2 R19B.2 R19C.2 R19D.2 U3A.3 U3B.3 U3C.3 U3D.3 U4A.5 U4B.5 U4C.5 U4D.5 U5A.5 U5B.5 U5C.5 U5D.5 U5E.5 U5F.5 U5G.5 U5H.5 U5I.5 U5J.5 U5K.5 U5L.5 U5M.5 U5N.5 VCC.1 X3.3 X3.4 | length 145.8
  Top Layer w0.254: C9B.1@106.3,16.8 106.3,15.5 106.9,14.9 108.2,14.9 ; C9C.1@106.427,13.004 106.427,14.527 106.85,14.95 ; C9A.1@106.427,23.104 106.427,24.627 107.2,25.4 108.3,25.4 ; C9D.1@106.546,6.496 106.546,5.096 106.946,4.696 108.246,4.696 ; C2N.1@106.575,28.75 C2N.1@106.6,28.725 106.6,30.1 106.7,30.2 ; C2J.1@106.575,49.15 C2J.1@106.6,49.125 106.6,50.5 106.7,50.6 ; C2F.1@106.575,69.562 C2F.1@106.6,69.537 106.6,70.9 106.7,71 ; C2M.1@106.6,31.475 106.6,30.3 106.7,30.2 ; C2L.1@106.6,38.925 106.6,40.3 106.7,40.4 ; C2K.1@106.6,41.675 106.6,40.5 106.7,40.4 ; C2I.1@106.6,51.875 106.6,50.7 106.7,50.6 ; C2H.1@106.6,59.325 106.6,60.7 106.7,60.8 ; C2G.1@106.6,62.075 106.6,60.9 106.7,60.8 ; C2E.1@106.6,72.275 106.6,71.1 106.7,71 ; C2D.1@106.6,79.7 106.6,80.9 ; 106.6,81 106.7,81.1 ; C2C.1@106.6,82.375 106.6,81.2 106.7,81.1 ; C2B.1@106.6,89.825 106.6,91.2 106.7,91.3 ; C2A.1@106.6,92.575 106.6,91.4 106.7,91.3 ; C8C.1@108.2,13.425 108.2,14.9 ; C8B.1@108.2,16.375 108.2,14.9 ; C8A.1@108.2,23.525 108.2,25.3 108.3,25.4 ; C1N.1@108.2,28.4 108.2,30.1 108.1,30.2 ; C1M.1@108.2,31.5 108.2,30.3 108.1,30.2 ; C1L.1@108.2,38.6 108.2,40.3 108.1,40.4 ; C1K.1@108.2,41.7 108.2,40.5 108.1,40.4 ; C1J.1@108.2,48.8 108.2,50.5 108.1,50.6 ; C1I.1@108.2,51.9 108.2,50.7 108.1,50.6 ; C1H.1@108.2,59 108.2,60.65 108.225,60.675 108.1,60.8 ; C1G.1@108.2,62.1 108.2,60.9 108.1,60.8 ; C1F.1@108.2,69.212 108.2,70.9 108.1,71 ; C1E.1@108.2,72.3 108.2,71.1 108.1,71 ; C1C.1@108.2,82.4 108.2,81.2 108.1,81.1 ; C1B.1@108.2,89.5 108.2,91.2 108.1,91.3 ; C1A.1@108.2,92.6 108.2,91.4 108.1,91.3 ; 108.225,40.4 111.4,40.4 ; C1D.1@108.225,79.35 108.225,80.875 ; 108.225,80.975 108.1,81.1 ; C8D.1@108.246,6.171 108.246,4.696 ; 111.4,14.9 108.2,14.9 ; 111.4,30.2 108.1,30.2 ; 111.4,50.6 108.1,50.6 ; 111.4,60.8 108.1,60.8 ; 111.4,71 108.1,71 ; 111.4,81.1 108.1,81.1 ; 111.4,91.3 108.1,91.3 ; 111.446,4.696 108.246,4.696 ; 111.549,27.8 U5N.5@112.125,27.8 ; 111.549,32.1 U5M.5@112.125,32.1 ; 111.549,38 U5L.5@112.125,38 ; 111.549,42.3 U5K.5@112.125,42.3 ; 111.549,48.2 U5J.5@112.125,48.2 ; 111.6,25.4 108.3,25.4 ; R7D.2@117.375,78.05 119.35,78.05 R2D.1@119.375,78.025 ; R7N.2@117.4,27.1 119.375,27.1 R2N.1@119.4,27.075 ; R7M.2@117.4,32.9 119.275,32.9 R2M.1@119.4,33.025 ; R7L.2@117.4,37.3 119.375,37.3 R2L.1@119.4,37.275 ; R7K.2@117.4,43.1 119.275,43.1 R2K.1@119.4,43.225 ; R7J.2@117.4,47.5 119.375,47.5 R2J.1@119.4,47.475 ; R7I.2@117.4,53.3 119.275,53.3 R2I.1@119.4,53.425 ; R7H.2@117.4,57.7 119.375,57.7 R2H.1@119.4,57.675 ; R7F.2@117.4,67.912 119.375,67.912 R2F.1@119.4,67.887 ; R7E.2@117.4,73.7 119.275,73.7 R2E.1@119.4,73.825 ; R7C.2@117.4,83.8 119.275,83.8 R2C.1@119.4,83.925 ; R7B.2@117.4,88.2 119.375,88.2 R2B.1@119.4,88.175 ; R7A.2@117.4,94 119.275,94 R2A.1@119.4,94.125 ; R7G.2@117.59,63.5 119.275,63.5 R2G.1@119.4,63.625 ; 106.7,30.2 108.1,30.2 ; 106.7,40.4 108.1,40.4 ; 106.7,50.6 108.1,50.6 ; 106.7,60.8 108.1,60.8 ; 106.7,71 108.1,71 ; 106.7,81.1 108.1,81.1 ; 106.7,91.3 108.1,91.3
  Top Layer w0.508: R18.2@11.811,88.011 21.082,88.011 X3.4@22.606,89.535
VIN: C5.1 C12.2 C13.2 R17.2 U2.2 U2.3 VIN.1 X1.5 X1.6 X2.3 X2.4 | length 20.7
  Top Layer w0.508: X1.5@-12.44,69.591 X1.5@-12.438,69.593 ; X1.5@-12.44,69.6 -12.436,69.596 v2(-9.779,69.596) ; 5.715,71.882 R17.2@5.715,87.973
  Bottom Layer w0.508: X1.6@-12.44,69.591 -10.546,69.591 v2(-10.541,69.596)
pads on no net: U1A.3 U1A.4 U1A.5 U1A.8 U1B.3 U1B.4 U1B.5 U1B.8 U1C.3 U1C.4 U1C.5 U1C.8 U1D.3 U1D.4 U1D.5 U1D.8 U1E.3 U1E.4 U1E.5 U1E.8 U1F.3 U1F.4 U1F.5 U1F.8 U1G.3 U1G.4 U1G.5 U1G.8 U1H.3 U1H.4 U1H.5 U1H.8 U1I.3 U1I.4 U1I.5 U1I.8 U1J.3 U1J.4 U1J.5 U1J.8 U1K.3 U1K.4 U1K.5 U1K.8 U1L.3 U1L.4 U1L.5 U1L.8 U1M.3 U1M.4 U1M.5 U1M.8 U1N.3 U1N.4 U1N.5 U1N.8 X1.9 X1.10 X1.13 X1.14 X1.79 X1.80 X1.91 X1.92 X1.93 X1.94 X1.95

## Polygon pours and split planes (outlines as drawn)
VCC on Top Layer "VCC_L01_P036" (solid, pour order 36): 123.8,3.6 132.5,3.6 132.5,24.5 132.4,24.4 123.8,24.4
VCC on Top Layer "VCC_L01_P035" (solid, pour order 35): 117,95.6 124.1,95.6 124.1,3.5 117,3.5
VCC on Top Layer "TOP_VCC" (solid, pour order 16): 51.958,88.519 65.554,95.494 91.05,95.494 97.625,95.494 111.2,95.494 111.192,4.445 115.302,4.445 118.365,4.445 118.365,25.275 118.365,96.847 115.707,99.504 19.939,99.504 19.939,88.519
GND on Top Layer "GND_L01_P034" (solid, pour order 34): 102.599,95.2 110.7,95.2 110.7,4.4 102.599,4.4
GND on Top Layer "GND_L01_P033" (solid, pour order 33): -10.795,65.151 -10.795,76.708 -10.414,77.089 0.5,77.089 0.5,98.798 1.206,99.504 58.166,99.504 58.166,80.899 36.576,59.309 -4.542,59.309
VIN on Top Layer "VIN_L01_P028" (solid, pour order 28): -10.795,69.215 -10.795,70.104 -9.853,70.104 -9.853,72.39 11.835,72.493 12.192,72.495 12.573,72.771 12.573,74.041 16.637,74.041 16.891,74.295 18.415,74.295 18.415,72.263 18.288,72.136 18.034,72.39 16.51,72.39 16.51,72.263 14.859,70.612 14.859,64.135 14.351,63.627 -3.683,63.627 -9.271,69.215
SW on Top Layer "SW_L01_P029" (solid, pour order 29): 21.971,75.565 21.971,75.184 22.733,74.422 26.866,74.422 26.866,73.718 30.734,69.85 40.513,69.85 40.513,81.174 37.232,84.455 32.746,84.455 29.528,81.237 29.528,77.237 21.971,77.237
GND on Bottom Layer "GND_L02_P018" (solid, pour order 18): 0.265,25.074 0.278,25.061 0.278,-0.201 3.991,-0.201 122.2,-0.201 122.2,99.799 3.992,99.799 0.309,99.799 0.265,74.524 -5.795,74.524 cw(c-5.795,75.524) -6.795,75.524 -6.795,76.124 ccw(c-7.195,76.124) -7.195,76.524 -8.575,76.524 -8.575,73.024 cw(c-9.575,73.024) -9.575,72.024 -13.589,72.024 -13.589,49.399 -9.375,49.399 cw(c-9.375,48.199) -9.375,46.999 -13.589,46.999 -13.589,27.574 -9.575,27.574 cw(c-9.575,26.574) -8.575,26.574 -8.575,23.074 -7.195,23.074 ccw(c-7.195,23.474) -6.795,23.474 -6.795,24.074 cw(c-5.795,24.074) -5.795,25.074

## Silkscreen, mask and mechanical layers (free items; w line width, h text height)
Top Overlay:
  text "DIG_19" at 69.571,74.767 h1 r90
  text "DIG_20" at 72.154,74.767 h1 r90
  text "DIG_21" at 74.694,74.767 h1 r90
  text "DIG_22" at 77.234,74.767 h1 r90
  text "DIG_23" at 79.774,74.767 h1 r90
  text "DIG_24" at 82.314,74.767 h1 r90
  text "DIG_25" at 84.854,74.767 h1 r90
  text "DIG_26" at 87.394,74.767 h1 r90
  text "DIG_27" at 89.934,74.767 h1 r90
  text "DIG_28" at 92.474,74.767 h1 r90
  text "DIG_29" at 95.014,74.767 h1 r90
  text "DIG_18" at 66.75,74.75 h1 r90
  text "DIG_00" at 30.5,45.25 h1
  text "DIG_01" at 50.25,45.25 h1
  text "DIG_02" at 30.5,42.5 h1
  text "DIG_03" at 50.25,42.5 h1
  text "DIG_05" at 50.25,40.25 h1
  text "DIG_04" at 30.5,40 h1
  text "DIG_06" at 30.5,37.5 h1
  text "DIG_07" at 50.25,37.5 h1
  text "DIG_08" at 30.5,35 h1
  text "DIG_09" at 50.25,35 h1
  text "DIG_11" at 50.25,32.5 h1
  text "DIG_10" at 30,32.25 h1
  text "DIG_12" at 30,29.75 h1
  text "DIG_13" at 50.25,29.75 h1
  text "DIG_14" at 30,27.25 h1
  text "DIG_15" at 50.25,27.25 h1
  text "DIG_16" at 30,24.5 h1
  text "DIG_17" at 45,24.5 h1
  text "DIG_17" at 70.7,23.2 h1
  text "RES_PIN_77" at 4.73,16.461 h1
  text "RES_PIN_78" at 29.038,16.254 h1
  text "CPLD_DigIn_01" at 4.73,13.949 h1
  text "CPLD_DigOut_01" at 29.038,13.765 h1
  text "CPLD_DigIn_02" at 4.73,11.437 h1
  text "CPLD_DigOut_02" at 29.038,11.277 h1
  text "I2C0_SCL" at 4.73,8.925 h1
  text "I2C0_SCA" at 29.038,8.789 h1
  text "GND" at 4.73,6.414 h1
  text "GND" at 29.038,6.3 h1
Mechanical 1:
  lines w0.254: 0,25.2 0,2.5 ccw(c2.5,2.5) 2.5,0 3.7,0 ; 0,25.275 -0.013,25.275 -6.073,25.275 ccw(c-6.073,24.275) -7.073,24.275 -7.073,23.675 cw(c-7.473,23.675) -7.473,23.275 -8.853,23.275 -8.853,26.775 ccw(c-9.853,26.775) -9.853,27.775 -14.074,27.775 -14.853,27.775 -14.853,47.2 -14.074,47.2 -9.653,47.2 ccw(c-9.653,48.4) -9.653,49.6 -14.074,49.6 -14.853,49.6 -14.853,72.225 -14.074,72.225 -9.853,72.225 ccw(c-9.853,73.225) -8.853,73.225 -8.853,76.725 -7.473,76.725 cw(c-7.473,76.325) -7.073,76.325 -7.073,75.725 ccw(c-6.073,75.725) -6.073,74.725 0,74.725 0,97.5 cw(c2.5,97.5) 2.5,100 140,100 ; 3.713,0 140,0 ccw(c140.07,1.07) 141.141,1 141.141,99 ccw(c140.07,98.93) 140,100 ; 3.713,0 3.713,0 ; 140,100 140,100

## Dimensions
141.141,0 to 141.141,100 on Mechanical 2
141.141,100 to 0.031,100 on Mechanical 2
141.199,102.286 to -14.795,74.511 on Mechanical 2
146.143,97.802 to -14.84,72.225 on Mechanical 2
141.075,95.796 to 141.141,100 on Mechanical 2
141.141,0 to 141.069,4.113 on Mechanical 2
141.141,100 to 66.143,90 on Mechanical 2
141.091,99.6 to 23.876,92.583 on Mechanical 2

## Text inside footprints (layer, text, board x,y; h text height)
P1: Top Overlay "2" at 46.482,49.149 h1 r270; Top Overlay "1" at 43.942,48.641 h1 r270; Top Overlay "17" at 43.942,23.749 h1 r270; Top Overlay "18" at 46.482,23.749 h1 r270
P2: Top Overlay "2" at 25.629,19.914 h1 r270; Top Overlay "1" at 23.089,19.406 h1 r270; Top Overlay "9" at 23.089,5.69 h1 r270; Top Overlay "10" at 25.629,5.69 h1 r270
Serial1: Mechanical 5 "SerialNr" at 48.681,19.171 h0.7